# Altium PCB MotorDriver.PcbDoc (part 2 of 2)
Units mm, origin at the board's own origin, x right, y up, seen from the top; angles counter-clockwise.
Board outline 188.1 x 187 mm, 4 copper layers (Top Layer, Layer 1, Layer 2, Bottom Layer), stack 0.603 mm thick; 58 components, 47 nets, 249 pads, 100 vias.
Unrouted connection lines stored in the file: 13.
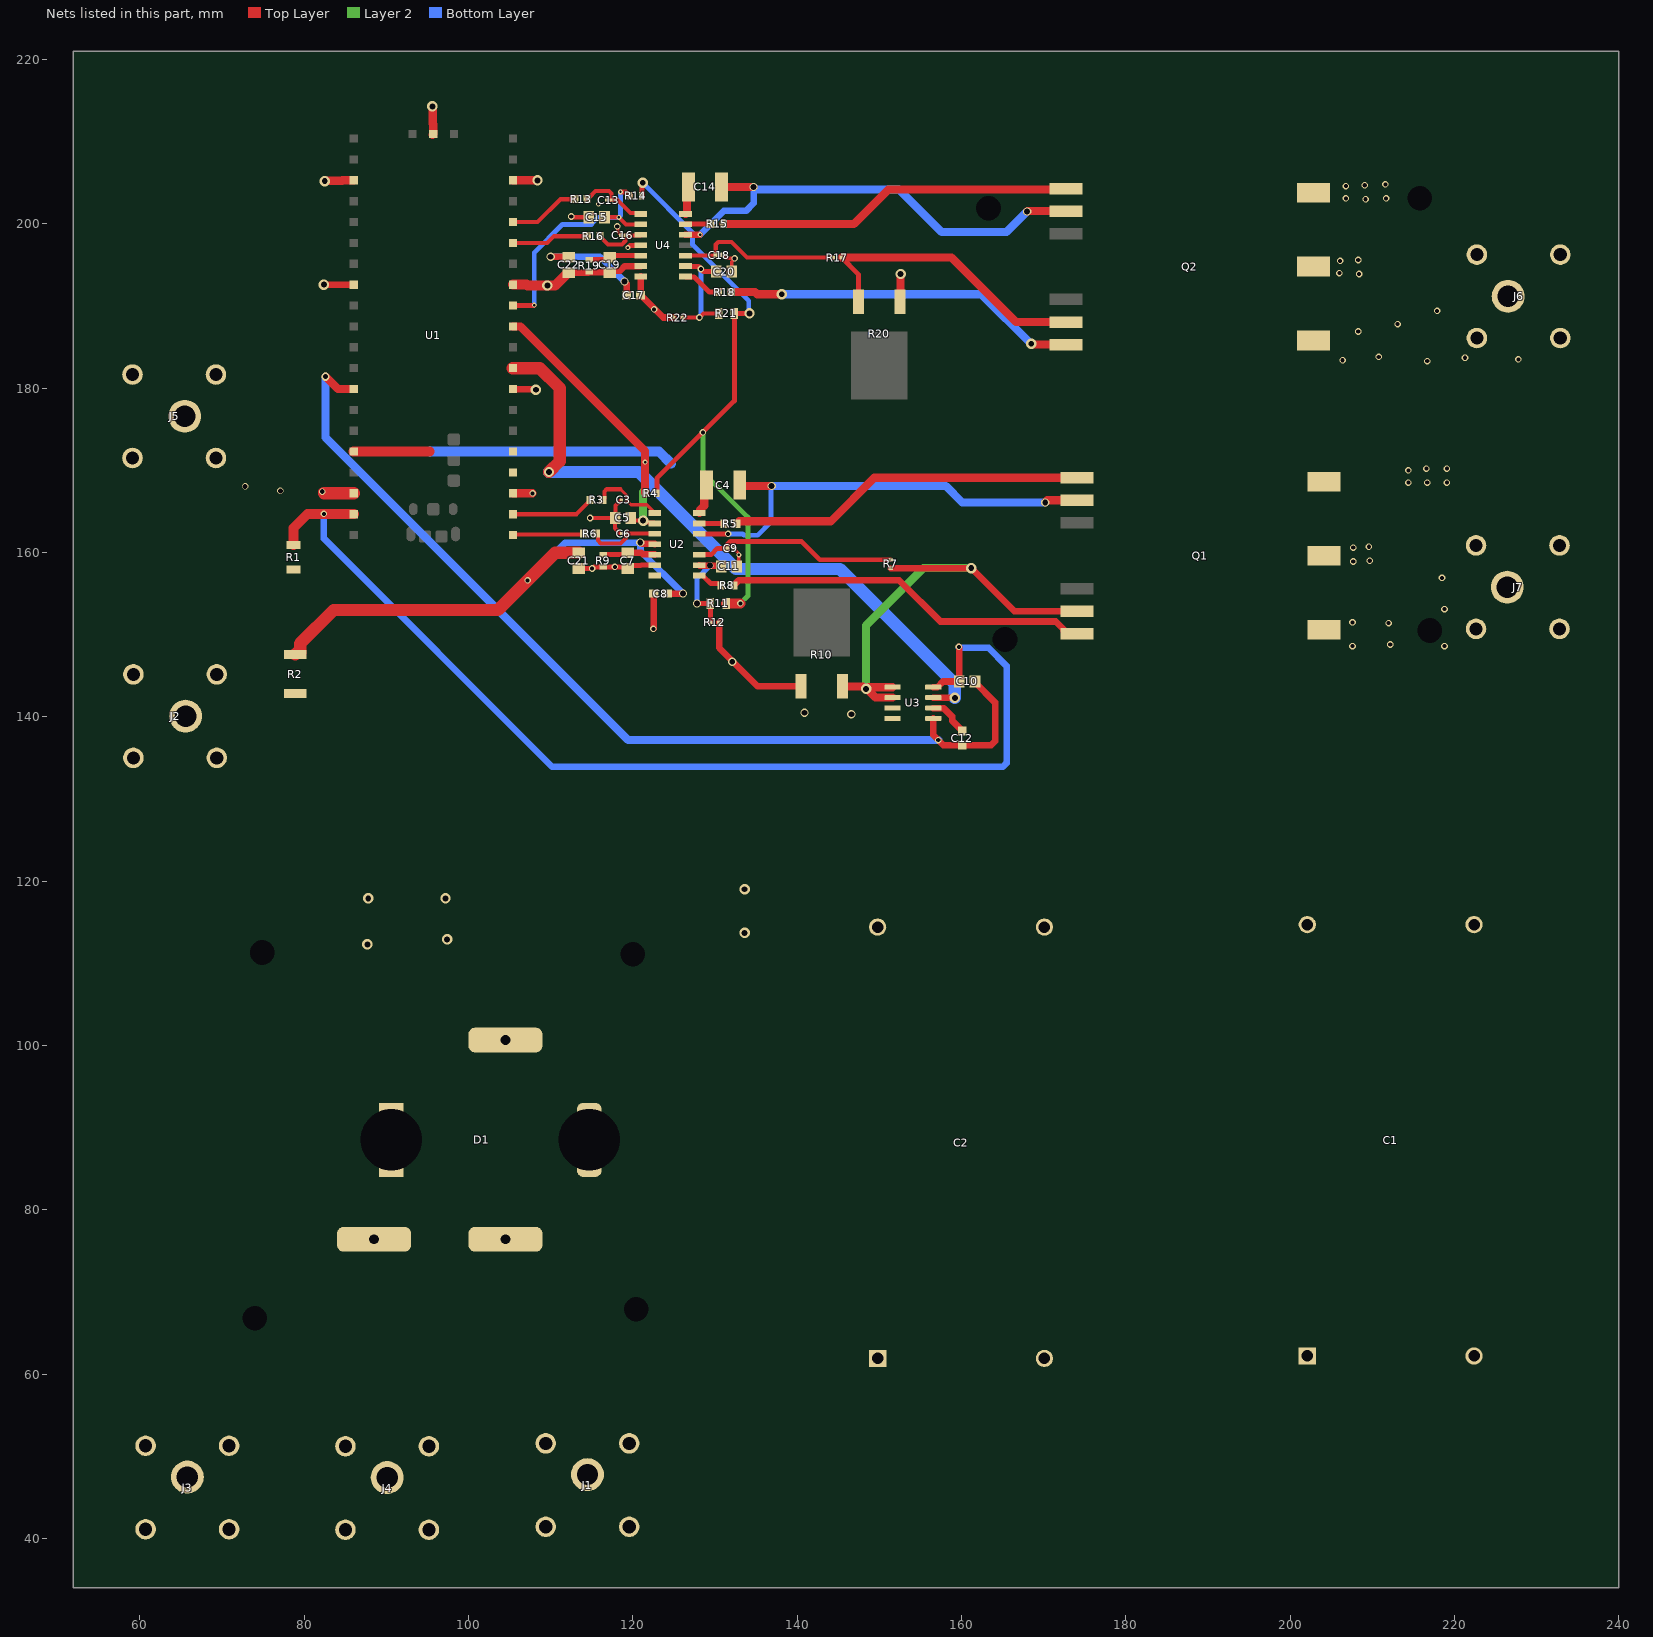
[diagram p4: the nets of this part, all layers, seen from the top]

## Part data
C1 C2: library part EZP-V60107MTS, "CAP FILM 100UF 10% 600V RADIAL", Manufacturer_Name=Panasonic, Mouser Part Number=667-EZP-V60107MTS, Datasheet Link=http://industrial.panasonic.com/cdbs/www-data/pdf/RDL0000/RDL0000C251.pdf, Height=52.5mm, Manufacturer_Part_Number=EZP-V60107MTS, Mouser Price/Stock=https://www.mouser.co.uk/ProductDetail/Panasonic/EZP-V60107MTS?qs=OlC7AqGiEDk7%2FzfxM6wGiA%3D%3D
C3 C6 C13 C16: library part GRM0335C1E821JA01D, "CAP CER 820PF 25V C0G/NP0 0201", Package="0603 Murata", Check_prices=https://www.snapeda.com/parts/GRM0335C1E821JA01D/Murata+Electronics+North+America/view-part/?ref=eda, MF="Murata Electronics", MP=GRM0335C1E821JA01D, SnapEDA_Link=https://www.snapeda.com/parts/GRM0335C1E821JA01D/Murata+Electronics+North+America/view-part/?ref=snap
C4 C14: library part C1812W104KDRACTU, "CAP CER 0.1UF 1KV X7R 1812", Package=None, Availability=Unavailable, MP=C1812W104KDRACTU, Price=None
C5 C7 C10 C11 C15 C19 C20 C21 C22: library part CC0805KRX7R9BB104, "CAP CER 0.1UF 50V X7R 0805", Package="0805 Yageo", Availability=Unavailable, MF=Yageo, MP=CC0805KRX7R9BB104, Price=None, SnapEDA_Link=https://www.snapeda.com/parts/CC0805KRX7R9BB104/Yageo/view-part/105548/?ref=snap
C8 C17: library part CC0603KRX5R8BB105, "CAP CER 1UF 25V X5R 0603", Package="0603 Yageo", Availability=Unavailable, MF=Yageo, MP=CC0603KRX5R8BB105, Price=None, SnapEDA_Link=https://www.snapeda.com/parts/CC0603KRX5R8BB105/Yageo/view-part/1820893/?ref=snap
C9 C18: library part C0402C221K8RACTU, "CAP CER 220PF 10V X7R 0402", Package=None, Availability=Unavailable, MF="{'manufacturer': u'KEMET'}", MP=C0402C221K8RACTU, Price=None
C12: library part C0603C102K5RACTU, "CAP CER 1000PF 50V X7R 0603", Package="0603 Kemet", Availability=Unavailable, MF=KEMET, MP=C0603C102K5RACTU, Price=None, SnapEDA_Link=https://www.snapeda.com/parts/C0603C102K5RACTU/KEMET/view-part/319836/?ref=snap
D1: library part DB35-12, "BRIDGE RECT 3P 1.2KV 35A DB-35", Datasheet=https://diotec.com/de/produktliste/B3.html, ki_description=Bridge_3_phase, ki_keywords="Bridge 3 phase"
J1 J2 J3 J4 J5 J6 J7: "Banana Jack Connector Standard Banana Solder Red", Package=None, Check_prices=https://www.snapeda.com/parts/FCR7350R/Cliff+Electronics/view-part/?ref=eda, MF=Cliff, MP=FCR7350R, SnapEDA_Link=https://www.snapeda.com/parts/FCR7350R/Cliff+Electronics/view-part/?ref=snap
Q1 Q2: "MOSFET 2N-CH 650V 32A 9ACEPACK", Manufacturer_Name=STMicroelectronics, Mouser Part Number=511-SH32N65DM6AG, Datasheet Link=https://www.st.com/resource/en/datasheet/sh32n65dm6ag.pdf, Geometry.Height=5.75mm, Manufacturer_Part_Number=SH32N65DM6AG, Mouser Price/Stock=https://www.mouser.co.uk/ProductDetail/STMicroelectronics/SH32N65DM6AG?qs=By6Nw2ByBD04Okf4gmqE1g%3D%3D
R1: library part RQ73C2B100RBTD, "RES 100 OHMS 0.1% 0.4W 1206", Package=None, Availability=Unavailable, MP=RQ73C2B100RBTD, Price=None
R2: library part CRGP2010F18R, "RES 18 OHM 1% 1.25W 2010", Package=None, Availability=Unavailable, MP=CRGP2010F18R, Price=None
R3 R6 R13 R16: library part RMCF0603FT820R, "RES 820 OHM 1% 1/10W 0603", Package="1508 Stackpole", Digi-Key_Part_Number=RMCF0603FT820RCT-ND, DigiKey-Purchase-URL=https://snapeda.com/shop?store=DigiKey&id=3955492, MF="Stackpole Electronics Inc", MP=RMCF0603FT820R, SnapEDA_Link=https://www.snapeda.com/parts/RMCF0603FT820R/Stackpole%20Electronics%20Inc/view-part/3955492/?ref=snap
R4 R14: library part ERA3AEB333V, "RES SMD 33K OHM 0.1% 1/10W 0603", Package=None, Availability=Unavailable, MP=ERA3AEB333V, Price=None
R5 R8 R15 R18: library part CRCW060310R0FKEAHP, "RES SMD 10 OHM 1% 1/3W 0603", Package="1608 Vishay", Digi-Key_Part_Number=541-10.0SCT-ND, DigiKey-Purchase-URL=https://snapeda.com/shop?store=DigiKey&id=132114, MF="Vishay Dale", MP=CRCW060310R0FKEAHP, SnapEDA_Link=https://www.snapeda.com/parts/CRCW060310R0FKEAHP/Vishay%20Dale/view-part/132114/?ref=snap
R7 R12 R17 R22: library part ERJ2RKF1002X, "RES SMD 10K OHM 1% 1/10W 0402", Package="1005-2 Panasonic", Availability="In Stock", Check_prices=https://www.snapeda.com/parts/ERJ-2RKF1002X/Panasonic%20Electronic%20Components/view-part/78636/?ref=eda, MF=Panasonic, MP=ERJ-2RKF1002X, Price=None, SnapEDA_Link=https://www.snapeda.com/parts/ERJ-2RKF1002X/Panasonic%20Electronic%20Components/view-part/78636/?ref=snap
R9 R19: library part ERJ3EKF6802V, "RES SMD 68K OHM 1% 1/10W 0603", Package=None, Availability=Unavailable, MP=ERJ3EKF6802V, Price=None
R10 R20: library part PWR163S-25-R040JE, "RES 0.04 OHM 5% 25W DPAK", Manufacturer=Bourns, Package=None, Availability=Unavailable, Category="Chip SMD Resistors", ComponentLink1Description=https://datasheet.ciiva.com:443/pdfs/VipMasterIC/IC/BOUR/BOUR-S-A0002274294/BOUR-S-A0002274294-1.pdf?src-supplier=IHS+Markit, ComponentLink1URL=https://datasheet.ciiva.com:443/pdfs/VipMasterIC/IC/BOUR/BOUR-S-A0002274294/BOUR-S-A0002274294-1.pdf?src-supplier=IHS+Markit, ComponentLink2Description=https://datasheet.ciiva.com/29508/pwr163-29508342.pdf?src-supplier=Digikey, ComponentLink2URL=https://datasheet.ciiva.com/29508/pwr163-29508342.pdf?src-supplier=Digikey, Manufacturer Part Number=PWR163S-25-R040JE, MP=PWR163S-25-R040JE, Price=None, Pricing="1000=1,752, 2000=1,735, 2500=1,719, 3000=1,703, 4000=1,686, 5000=1,67, 10000=1,656 (USD)", RoHS=No, Supplier="Arrow Electronics", Supplier Part Number=PWR163S-25-R040JE
R11 R21: library part RC0805JR-0727KL, "RES 27K OHM 5% 1/8W 0805", Manufacturer=Bourns, Manufacturer Part Number=PWR163S-25-R040JE, Package=None, Availability=Unavailable, Category="Chip SMD Resistors", ComponentLink1Description=https://datasheet.ciiva.com:443/pdfs/VipMasterIC/IC/BOUR/BOUR-S-A0002274294/BOUR-S-A0002274294-1.pdf?src-supplier=IHS+Markit, ComponentLink1URL=https://datasheet.ciiva.com:443/pdfs/VipMasterIC/IC/BOUR/BOUR-S-A0002274294/BOUR-S-A0002274294-1.pdf?src-supplier=IHS+Markit, ComponentLink2Description=https://datasheet.ciiva.com/29508/pwr163-29508342.pdf?src-supplier=Digikey, ComponentLink2URL=https://datasheet.ciiva.com/29508/pwr163-29508342.pdf?src-supplier=Digikey, MP=PWR163S-25-R040JE, Price=None, Pricing="1000=1,752, 2000=1,735, 2500=1,719, 3000=1,703, 4000=1,686, 5000=1,67, 10000=1,656 (USD)", RoHS=No, Supplier="Arrow Electronics", Supplier Part Number=PWR163S-25-R040JE
U1: "RP2040 Raspberry Pi Pico - ARM® Cortex®-M0+ MCU 32-Bit Embedded Evaluation Board", Package=None, Availability="In Stock", Check_prices=https://www.snapeda.com/parts/SC0915/Raspberry+Pi/view-part/?ref=eda, MF="Raspberry Pi", MP=SC0915, Price=None, Purchase-URL=https://pricing.snapeda.com/search/part/SC0915/?ref=eda, SnapEDA_Link=https://www.snapeda.com/parts/SC0915/Raspberry+Pi/view-part/?ref=snap
U2 U4: "IC GATE DRVR HALF-BRIDGE 14SO", Manufacturer_Name=STMicroelectronics, Mouser Part Number=511-L6491D, Arrow Part Number=L6491D, Arrow Price/Stock=https://www.arrow.com/en/products/l6491d/stmicroelectronics?region=nac, Datasheet Link=http://www.mouser.com/datasheet/2/389/l6491-974060.pdf, Height=1.75mm, Manufacturer_Part_Number=L6491D, Mouser Price/Stock=https://www.mouser.co.uk/ProductDetail/STMicroelectronics/L6491D?qs=WHlX%252B%252B9%2FRwCiXa20eeUAEg%3D%3D
U3: "SENSOR CURRENT HALL 30A AC/DC", Package="SOIC-8 Allegro MicroSystems LLC", Availability="In Stock", Check_prices=https://www.snapeda.com/parts/ACS712ELCTR-30A-T/Allegro+Industries/view-part/?ref=eda, MF=Allegro, MP=ACS712ELCTR-30A-T, Price=None, Purchase-URL=https://pricing.snapeda.com/search/part/ACS712ELCTR-30A-T/?ref=eda, SnapEDA_Link=https://www.snapeda.com/parts/ACS712ELCTR-30A-T/Allegro+Industries/view-part/?ref=snap

## Free pads (board coordinates)
  round 1.524 hole 3: 2(215.8,203.1) J2(163.3,201.9) J3(74,66.8) J3(74.9,111.3) J3(120,111.1) J3(120.4,67.9) J3(165.3,149.4) J3(217,150.5)

## Via types
v1: diameter 0.8, hole 0.5, Top Layer to Bottom Layer, 53 vias
v2: diameter 1.27, hole 0.711, Top Layer to Bottom Layer, 22 vias
v3: diameter 1, hole 0.711, Top Layer to Bottom Layer, 12 vias
v4: diameter 0.6, hole 0.3, Top Layer to Bottom Layer, 8 vias
v5: diameter 0.8, hole 0.6, Top Layer to Bottom Layer, 3 vias
v6: diameter 0.8, hole 0.711, Top Layer to Bottom Layer, 1 vias
v7: diameter 1, hole 0.6, Top Layer to Bottom Layer, 1 vias

## Nets (pads, with @x,y where several pads share a name; then routed paths per layer and width w, separated by ;. In a path a pad name is that pad's centre, name@x,y a point inside that pad or via, vN(x,y) a via of type N, cw(c..) or ccw(c..) an arc to the next point about the centre after c; other vN are vias at no path point)
3.3V: R4.2 R11.1 R14.2 R21.1 U1.36 | length 115.1
  Top Layer w0.6: R14.2@121.1,203.4 121.125,203.425 121.125,204.925 v2(121.2,205) ; R4.2@122.925,167.2 122.925,169.025 124.7,170.8 ; 124.681,170.8 124.7,170.8 ; v2(134.2,189.1) R21.1@132.355,189.1 132.355,178.455 v1(128.527,174.628) 124.7,170.8
  Top Layer w1.2: U1.36@86.02,172.28 95.28,172.28 ; R11.1@131.355,153.8 v1(133.1,153.8)
  Layer 2 w0.6: v1(128.527,174.628) 128.527,169.773 134,164.3 134,154.7 v1(133.1,153.8)
  Bottom Layer w0.6: v2(121.2,205) 127.246,198.954 127.246,197.504 134.115,190.635 134.115,189.185 v2(134.2,189.1)
  Bottom Layer w1.2: 95.28,172.28 95.3,172.3 123.181,172.3 124.681,170.8
5V: C10.1 R1.1 U1.39 U3.8 | length 134.3
  Top Layer w0.8: U3.8@156.575,143.605 157.06,143.605 157.755,144.3 C10.1@159.75,144.3 159.75,148.45 v1(159.7,148.5)
  Top Layer w1.2: R1.1@78.7,160.9 78.7,163 80.4,164.7 86.06,164.7 U1.39@86.02,164.66
  Bottom Layer w0.8: v1(82.4,164.7) 82.4,161.7 110.2,133.9 165.031,133.9 165.5,134.369 165.5,146.2 163.3,148.4 v1@159.7,148.4
12V: R2.1
15V: C8.2 C17.2 C21.2 C22.2 J2.P$1 R1.2 R2.2 U2.4 U4.4 | length 83.9
  Top Layer w0.6: v4(119.4,197.1) 119.65,197.35 120.938,197.35 U4.4@120.988,197.4
  Top Layer w0.8: v3(110,196) 110.025,195.975 112.175,195.975 C22.2@112.2,195.95 ; v3(119,193) 119,192.946 119.25,192.696 C17.2@119.25,191.3 ; v3(120.9,161.2) 120.954,161.2 121.104,161.05 122.638,161.05 U2.4@122.688,161 ; C8.2@124.25,155 v3(126.1,155)
  Top Layer w1.5: R2.2@78.9,147.58 79.115,147.795 79.51,147.795 79.51,148.91 83.6,153 103.6,153 110.55,159.95 C21.2@113.4,159.95
  Bottom Layer w0.8: v1(107.2,156.6) 111.8,161.2 v3(120.9,161.2) 120.938,161.162 120.938,160.162 v3(126.1,155) ; v3(110,196) 116,196 v3(119,193)
AGND: C10.2 C12.1 U1.33 U3.5 | length 119.8
  Top Layer w0.8: U3.5@156.575,139.795 156.575,137.769 v1(157.184,137.159) 157.794,136.55 C12.1@160.1,136.55 163.631,136.55 164.1,137.019 164.1,141.75 161.65,144.2 C10.2@161.65,144.3
  Top Layer w1: v7(82.6,181.4) 84.1,179.9 U1.33@86.02,179.9
  Bottom Layer w1: v7(82.6,181.4) 82.6,174 119.441,137.159 v1(157.184,137.159)
ENC_A: U1.4
ENC_B: U1.5
Fault_1: C5.2 R4.1 U1.11 U2.2 | length 38
  Top Layer w0.5: C5.2@119.75,164.2 120.064,163.886 v2(121.247,163.886) 121.455,163.886 121.701,163.64 122.588,163.64 U2.2@122.688,163.54
  Top Layer w1: U1.11@105.4,187.52 106.326,187.52 121.5,172.346 v4(121.5,171) 121.475,170.975 R4.1@121.475,167.2
  Layer 2 w1: v2(121.247,163.886) 121.247,167.353 121.5,167.606 v4(121.5,171)
Fault_2: C15.2 R14.1 U1.12 U4.2 | length 30.5
  Top Layer w0.5: C15.2@116.55,200.8 118.333,200.8 119.193,199.94 U4.2@120.988,199.94
  Top Layer w0.6: U1.12@105.4,190.06 107.96,190.06 v4(108,190.1) ; v4(118.5,203.9) 119.15,203.9 119.5,203.55 119.625,203.55 119.65,203.525 R14.1@119.65,203.4
  Bottom Layer w0.6: v4(108,190.1) 108,196.5 111.446,199.946 114.951,199.946 115.805,200.8 v4(118.3,200.8) 118.5,201 v4(118.5,203.9)
I_sense: U1.9 U3.7 | length 81.9
  Top Layer w0.8: U3.7@156.575,142.335 156.593,142.318 159.183,142.318 v2(159.2,142.3)
  Top Layer w1.5: U1.9@105.4,182.44 108.66,182.44 111.1,180 111.1,171.1 v2(109.8,169.8)
  Bottom Layer w1.5: v2(109.8,169.8) 120.75,169.8 132.55,158 145.2,158 159.2,144 v2(159.2,142.3)
NetC3_2: C3.2 R3.2 U2.1 | length 8.9
  Top Layer w0.4: 118.5,167.7 119.263,166.937 119.263,166.318 119.781,165.8 121.698,165.8 U2.1@122.688,164.81
  Top Layer w0.5: R3.2@116.36,166.4 116.535,166.575 116.535,167.407 116.828,167.7 118.5,167.7
NetC4_1: C4.1 Q1.2 U2.12 | length 56
  Top Layer w0.6: U2.12@128.112,162.27 v1(131.604,162.27)
  Top Layer w1: C4.1@133.017,168.2 133.017,168.283 133.2,168.1 v3(136.9,168.1) ; v3(170.2,166.1) 170.45,166.35 Q1.2@174.05,166.35
  Bottom Layer w0.6: v1(131.604,162.27) 133.344,162.27 133.514,162.1 135.2,162.1 136.823,163.723 136.823,168.023 v3(136.9,168.1)
  Bottom Layer w1: v3(136.9,168.1) 158.1,168.1 160.1,166.1 v3(170.2,166.1)
NetC4_2: C4.2 U2.14 | length 3.8
  Top Layer w1: U2.14@128.112,164.81 128.2,164.898 128.2,165.2 128.698,165.698 128.698,167.915 C4.2@128.983,168.2
NetC6_2: C6.2 R6.2 U2.3 | length 8.8
  Top Layer w0.5: R6.2@115.56,162.3 115.76,162.1 115.76,161.44 116.1,161.1 118.5,161.1 119.181,161.781 C6.2@119.181,162.3 122.658,162.3 U2.3@122.688,162.27
NetC7_2: C7.2 R9.2 U2.5 | length 6.5
  Top Layer w0.6: R9.2@116.4,159.725 116.425,159.75 119.2,159.75 C7.2@119.4,159.95
  Top Layer w0.8: C7.2@119.4,159.95 121.05,159.95 121.22,159.78 122.638,159.78 U2.5@122.688,159.73
NetC9_2: C9.2 R7.1 U2.10 | length 24.8
  Top Layer w0.6: U2.10@128.112,159.73 129.53,159.73 130.3,160.5 C9.2@131.495,160.5 ; 131.456,160.9 131.456,160.938 131.872,161.354 140.515,161.354 142.757,159.112 R7.1@151.4,159.112
NetC11_2: C11.2 R11.2 R12.1 U2.9 | length 11.9
  Top Layer w0.6: v3(127.8,153.8) R11.2@129.445,153.8 129.445,151.543 R12.1@129.488,151.5
  Top Layer w0.8: U2.9@128.112,158.46 128.162,158.41 v6(129.401,158.41) 130.64,158.41 C11.2@130.75,158.3
  Bottom Layer w0.6: v3(127.8,153.8) 127.8,156.809 v6(129.401,158.41)
NetC12_2: C12.2 U3.6 | length 5
  Top Layer w0.8: U3.6@156.575,141.065 157.835,141.065 158.869,140.031 158.869,139.531 160,138.4 160,138.35 C12.2@160.1,138.25
NetC13_2: C13.2 R13.2 U4.1 | length 8.6
  Top Layer w0.5: R13.2@114.46,203 114.46,203.035 114.66,203.235 114.695,203.235 115.46,204 117.107,204 117.4,203.707 117.4,202.938 C13.2@117.362,202.9 118.124,202.9 119.714,201.31 120.888,201.31 U4.1@120.988,201.21
NetC14_1: C14.1 Q2.2 U4.12 | length 57.1
  Top Layer w0.8: U4.12@126.412,198.67 v4@128.17,198.67
  Top Layer w1: C14.1@130.817,204.5 v3(134.7,204.5) ; v3(168,201.5) 168.05,201.55 Q2.2@172.75,201.55
  Bottom Layer w0.8: v4(128.2,198.7) 131.081,201.581 133.781,201.581 134.7,202.5 v3(134.7,204.5)
  Bottom Layer w1: v3(134.7,204.5) 135,204.2 152.4,204.2 157.6,199 165.5,199 v3(168,201.5)
NetC14_2: C14.2 U4.14 | length 3.5
  Top Layer w1: U4.14@126.412,201.21 126.447,201.21 126.597,201.36 126.597,204.314 126.6,204.317 C14.2@126.783,204.5
NetC16_2: C16.2 R16.2 U4.3 | length 6.4
  Top Layer w0.5: R16.2@115.96,198.5 115.96,198.465 116.16,198.265 116.195,198.265 116.96,197.5 118.661,197.5 119.081,197.92 C16.2@119.081,198.6 120.918,198.6 U4.3@120.988,198.67
  Top Layer w0.6: R16.2@115.96,198.465 R16.2@115.96,198.5
NetC18_2: C18.2 R17.1 U4.10 | length 20.2
  Top Layer w0.5: U4.10@126.412,196.13 130.03,196.13 130.095,196.195 C18.2@130.095,196.2 130.095,197.495 130.4,197.8 132,197.8 133.9,195.9 R17.1@144.388,195.9
NetC19_2: C19.2 R19.2 U4.5 | length 6.5
  Top Layer w0.6: R19.2@114.7,195.625 114.725,195.65 116.9,195.65 C19.2@117.2,195.95 117.38,196.13 U4.5@120.988,196.13
NetC20_2: C20.2 R21.2 R22.1 U4.9 | length 14.6
  Top Layer w0.5: R22.1@126.012,188.6 v1(128.094,188.6) 128.593,189.1 R21.2@130.445,189.1
  Top Layer w0.6: U4.9@126.412,194.86 126.462,194.81 127.99,194.81 128.281,194.519 128.6,194.2 C20.2@130.15,194.2
  Bottom Layer w0.6: v1(128.094,188.6) 128.094,188.654 128.295,188.856 v1(128.295,194.505)
NetQ1_1: Q1.1 R5.2 | length 43.7
  Top Layer w1: R5.2@132.66,163.5 132.96,163.8 144.1,163.8 149.4,169.1 Q1.1@174.05,169.1
NetQ1_5: Q1.5 R7.2 R10.2 U3.1 U3.2 | length 57.8
  Top Layer w0.8: R7.2@151.4,158.088 161.212,158.088 166.45,152.85 Q1.5@174.05,152.85
  Top Layer w1: R10.2@145.54,143.7 v2@148.027,143.7 ; v2@148.275,143.452 148.421,143.452 149.538,142.335 U3.2@151.625,142.335 ; v2@148.473,143.4 148.678,143.605 U3.1@151.625,143.605
  Layer 2 w1: v2(148.4,143.4) 148.4,151.1 155.4,158.1 v2(161.2,158.1)
NetQ1_6: Q1.6 R8.2 | length 44.9
  Top Layer w0.8: R8.2@132.28,156 132.28,156.055 132.315,156.09 132.37,156.09 132.88,156.6 152.437,156.6 157.437,151.6 171.481,151.6 172.45,150.631 172.45,150.4 172.75,150.1 Q1.6@174.05,150.1
NetQ2_1: Q2.1 R15.2 | length 43.5
  Top Layer w1: R15.2@131.06,200 146.9,200 151.1,204.2 172.65,204.2 Q2.1@172.75,204.3
NetQ2_5: Q2.5 R17.2 R20.2 | length 36.8
  Top Layer w0.6: R17.2@145.412,195.9 147.46,193.852 R20.2@147.46,190.5
  Top Layer w1: R17.2@145.412,195.9 158.8,195.9 166.65,188.05 Q2.5@172.75,188.05
NetQ2_6: Q2.6 R18.2 | length 43.4
  Top Layer w1: R18.2@131.98,191.7 134.883,191.7 135.153,191.43 v2(138.13,191.43) ; v2(168.5,185.4) 168.573,185.4 168.673,185.3 Q2.6@172.75,185.3
  Bottom Layer w1: v2(138.13,191.43) 162.47,191.43 v2(168.5,185.4)
NetR5_1: R5.1 U2.13 | length 3
  Top Layer w0.6: U2.13@128.112,163.54 128.132,163.52 131.08,163.52 R5.1@131.1,163.5
NetR8_1: R8.1 U2.8 | length 3.1
  Top Layer w0.6: U2.8@128.112,157.19 128.525,157.19 129.514,156.2 130.52,156.2 130.53,156.19 130.585,156.19 130.72,156.055 R8.1@130.72,156
NetR15_1: R15.1 U4.13 | length 3.1
  Top Layer w0.6: U4.13@126.412,199.94 126.442,199.97 129.47,199.97 R15.1@129.5,200
NetR18_1: R18.1 U4.8 | length 4.8
  Top Layer w0.6: U4.8@126.412,193.59 126.462,193.54 127.46,193.54 129.3,191.7 R18.1@130.42,191.7
OUT1: J7.P$1 Q1.7
  other v1: 207.6,148.6 218.8,148.6 212.2,148.8 212,151.4 207.6,151.5 218.8,153.1 218.5,156.9
OUT2: J6.P$1 Q2.7
  other v1: 216.7,183.3 206.4,183.4 227.8,183.5 221.3,183.7 210.8,183.8 208.3,186.9 213.1,187.8 217.9,189.4
PGND: C1.1 C1.3 C2.1 C2.3 C8.1 C17.1 D1.5 pad.J3@165.3,149.4 Q1.8 Q2.8 R10.1 R12.2 R20.1 R22.2 U2.7 U3.3 U3.4 U4.7 | length 30.2
  Top Layer w0.8: U4.7@120.988,193.59 120.969,193.571 120.969,191.319 C17.1@120.95,191.3 121,191.3 123.7,188.6 R22.2@124.988,188.6 ; v1(122.5,150.7) 122.55,150.75 C8.1@122.55,155 ; R12.2@130.512,151.5 130.512,148.388 135.2,143.7 R10.1@140.46,143.7
  Top Layer w1: R20.1@152.54,190.5 152.57,190.53 152.57,193.87 v2(152.6,193.9)
  other v1: 207.7,158.9 209.7,159 207.7,160.6 209.6,160.7 122.6,189.6 208.4,193.9 206,194 206.1,195.5 208.3,195.6
  other v3: 146.6,140.3 140.9,140.5 132.1,146.7
PWM_1: R3.1 U1.2 | length 10.2
  Top Layer w0.5: U1.2@105.4,164.66 113.135,164.66 114.84,166.365 R3.1@114.84,166.4
PWM_2: R6.1 U1.1 | length 8.7
  Top Layer w0.5: U1.1@105.4,162.12 105.49,162.21 113.95,162.21 R6.1@114.04,162.3
PWM_3: R13.1 U1.16 | length 8.7
  Top Layer w0.5: U1.16@105.4,200.22 108.42,200.22 111.2,203 R13.1@112.94,203
PWM_4: R16.1 U1.15 | length 9.4
  Top Layer w0.5: U1.15@105.4,197.68 109.58,197.68 110.4,198.5 R16.1@114.44,198.5
SGND: C3.1 C5.1 C6.1 C7.1 C9.1 C11.1 C13.1 C15.1 C16.1 C18.1 C19.1 C20.1 C21.1 C22.1 J5.P$1 R9.1 R19.1 U1.3 U1.8 U1.13 U1.18 U1.23 U1.28 U1.38 U1.D2 U2.6 U4.6 | length 65.9
  Top Layer w0.4: v1(118.1,199.7) 118.177,199.623 118.177,199.023 C16.1@118.4,198.8 ; C18.1@130.905,196.2 130.905,196.195 131,196.1 131.005,196.1 131.305,195.8 v1(132.4,195.8) 132.4,195.731 132.05,195.381 C20.1@132.05,194.2 ; C9.1@132.305,160.5 132.305,160.495 132.862,159.938 132.862,159.738 v4(132.9,159.7) 132.9,158.55 C11.1@132.65,158.3
  Top Layer w0.5: v1(112.5,200.9) 112.581,200.9 112.681,200.8 C15.1@114.65,200.8 ; v1(114.8,164.2) C5.1@117.85,164.2 ; 118.4,162.4 117.85,162.95 C5.1@117.85,164.2 ; C3.1@118.487,166.3 117.887,165.7 117.887,164.237 C5.1@117.85,164.2
  Top Layer w0.6: C21.1@113.4,158.05 v1(115.05,158.05) 115.25,158.25 116.375,158.25 R9.1@116.4,158.275 116.425,158.25 119.2,158.25 C7.1@119.4,158.05 119.75,158.4 120.965,158.4 121.025,158.46 U2.6@122.688,158.46
  Top Layer w0.8: v2(82.4,192.6) U1.28@86.02,192.6 ; U1.8@105.4,179.9 105.45,179.85 108.15,179.85 v2(108.2,179.8) ; C22.1@112.2,194.05 114.6,194.05 114.7,194.15 R19.1@114.7,194.162 ; R19.1@114.7,194.175 R19.1@114.7,194.162 ; U4.6@120.988,194.86 119.026,194.86 118.465,194.3 117.45,194.3 C19.1@117.2,194.05 117.137,194.112 114.75,194.112 R19.1@114.7,194.162
  Top Layer w1: v5(82.2,167.4) v5@82.4,167.2 ; v2(82.5,205.2) 82.552,205.252 84.625,205.252 84.673,205.3 U1.23@86.02,205.3 ; U1.D2@95.6,210.84 U1.D2@95.71,210.95 95.71,212.117 95.652,212.175 95.652,214.248 v2(95.6,214.3) ; U1.3@105.4,167.2 v1(107.8,167.2) ; U1.18@105.4,205.3 v2(108.4,205.3)
  Top Layer w1.2: U1.13@105.4,192.6 107.081,192.6 107.168,192.513 109.587,192.513 v2(109.6,192.5) 109.613,192.513 110.563,192.513 112.1,194.05 C22.1@112.2,194.05
  Top Layer w1.5: v5@82.4,167.2 U1.38@86.02,167.2
  other v1: 117.812,158.25
  other v4: 115.8,202.4
  other v5: 77.1,167.5 72.814,168.037
V+: C1.2 C1.4 C2.2 C2.4 D1.4 pad.2 Q1.9 Q2.9
  other v1: 214.4,168.5 216.7,168.5 219.1,168.5 214.4,170 216.6,170.2 219.1,170.2 209.2,203 206.8,203.1 211.7,203.1 206.8,204.6 209.1,204.7 211.6,204.8
  other v2: 87.7,112.3 97.4,112.9 133.6,113.7 87.8,117.9 97.2,117.9 133.6,119
Va: D1.3 J1.P$1
Vb: D1.2 J4.P$1
Vc: D1.1 J3.P$1
pads on no net: Q1.3 Q1.4 Q2.3 Q2.4 R10.3 R20.3 U1.6 U1.7 U1.10 U1.14 U1.17 U1.19 U1.20 U1.21 U1.22 U1.24 U1.25 U1.26 U1.27 U1.29 U1.30 U1.31 U1.32 U1.34 U1.35 U1.37 U1.40 U1.A U1.B U1.C U1.D U1.D1 U1.D3 U1.TP1 U1.TP2 U1.TP3 U1.TP4 U1.TP5 U1.TP6 U2.11 U4.11
copper on no net: | length 1.2
  Top Layer w0.4: 115.8,202.4 116.3,202.9 116.8,202.9

## Polygon pours and split planes (outlines as drawn)
V+ on Top Layer "V+_L01_P044" (solid, pour order 44): 200.7,205.1 200.8,205 200.8,202.3 213.8,202.3 213.9,202.2 213.9,205.7
V+ on Top Layer "V+_L01_P043" (solid, pour order 43): 202.1,172 202,165.6 202.1,165.7 221.2,165.7 221.2,171.6 220.8,172
PGND on Top Layer "PGND_L01_P040" (solid, pour order 40): 202.2,160.8 202.1,160.7 202.1,158.5 211,158.5 211,161.3
PGND on Top Layer "PGND_L01_P039" (solid, pour order 39): 200.8,196 200.8,193.7 201,193.5 209.6,193.5 209.6,196.3
V+ on Top Layer "V+_L01_P025" (solid, pour order 25): 83.188,83.1 93,83.1 93,108.423 123.9,109.2 154.1,110.3 156.5,110.3 237.5,110.8 237.5,123.3 169.5,123.3 130.022,123.3 83.188,122.219
15V on Top Layer "15V_L01_P023" (solid, pour order 23): 77.9,158.4 77.9,147.864 77.922,147.842 78.18,148.1 80.1,148.1 80.1,150.5 83.4,153.6
no net on Top Layer "NONET_L01_P020" (solid, pour order 20): 84.1,77.9 84.1,39.1 83.4,38.4 83.5,38.3 97.3,38.3 97.3,52.4 95.7,54 93.5,72.6 92.6,78 84.2,78
no net on Top Layer "NONET_L01_P019" (solid, pour order 19): 99.162,77.081 108.5,59.452 108.5,38.7 120.4,38.7 120.9,38.2 121,38.3 121,67.5 110.619,77.881 100.489,77.744
PGND on Top Layer "PGND_L01_P012" (solid, pour order 12): 139.7,145.2 139.7,139.5 140.6,139.5 152.7,139.5 152.7,141.3 152.6,141.4 152.5,141.3 142.5,141.3 142.414,141.214 141.4,142.9 141.1,145.3
no net on Top Layer "NONET_L01_P011" (solid, pour order 11): 148.7,141.9 148.7,142.15 148.7,141.8
PGND on Top Layer "PGND_L01_P009" (solid, pour order 9): 121.9,157.5 122,157.4 122,154.5 123.1,154.5 123.2,154.6 123.4,157.5
15V on Top Layer "15V_L01_P001" (solid, pour order 1): 62.176,148.057 57.2,145.7 57.2,134.1 71.2,134.1 71.1,134.2 71.1,146.375 77.605,146.795 80.722,149.913
OUT1 on Top Layer "OUT1_L01_P008" (solid, pour order 8): 202.2,147.9 202.6,147.5 235.5,147.5 235.5,162.1 234.4,162.2 221.2,162.2 221.2,162.1 211.9,152.8 202.1,152.8 202.1,147.7
OUT2 on Top Layer "OUT2_L01_P007" (solid, pour order 7): 200.1,188.9 200.2,188.8 200.2,182 234.5,182 234.5,197.5 221.2,197.5 217.2,191.5 216,190.1 215.8,190.1 215.7,190
SGND on Top Layer "SGND_L01_P003" (solid, pour order 3): 88,167.979 88,166.4 71.6,166.4 71,166.7 66,171.4 66,173.7 74.877,168.561 75.267,168.454
SGND on Top Layer "SGND_L01_P002" (solid, pour order 2): 57.5,183 57.5,170.1 57.6,170.2 71.1,170.2 71.1,182.8 70.9,183 71,183
V+ on Bottom Layer "V+_L04_P045" (solid, pour order 45): 198.1,207.9 214.252,207.9 216.152,110.5 143.9,110.5 198.1,149.7
V+ on Bottom Layer "V+_L04_P052" (solid, pour order 52): 215.5,141.6 233.1,124 233.1,111 215.5,111
PGND on Bottom Layer "PGND_L04_P026" (solid, pour order 26): 111.3,93 110.9,92.6 110.9,82.3 114.7,82.3 140.9,56.1 236.9,56.1 236.9,60 236.2,62.9 235.3,67.6 139.6,67.6 125,82.2 119.5,93.5 124,93 121.9,93.5 111.1,93.5 110.8,93.2
Vc on Bottom Layer "VC_L04_P024" (solid, pour order 24): 72.7,54.4 72.7,81.3 72.9,81.5 72.6,81.8 72.6,54.3 59,40.7 59,98.5 68.4,107.9 80.4,107.9 109.7,107.9 109.7,99.5 107,96.3 105.4,96.3 73.4,96.3 72.7,94.48 72.7,39.1 72.5,38.9 72.2,39.2 59,39.2 59,40.7
PGND on Layer 1 "PGND_L02_P028" (solid, pour order 28): 131.567,147.364 59,102.7 59,38.602 237.6,38.602 237.6,169.634 147.169,145.245
SGND on Layer 1 "SGND_L02_P035" (solid, pour order 35): 117,187.5 89.8,179.975 89.8,174.5 90.9,173.4 91.8,174.3 115.5,164
SGND on Layer 1 "SGND_L02_P029" (solid, pour order 29): 57.5,184.8 57.5,156.4 116.751,156.4 78.8,171.8
SGND on Layer 1 "SGND_L02_P027" (solid, pour order 27): 57.4,215 57.4,156.5 115.467,156.5 118.2,215 99.5,215 89.7,205.2 99.5,215
SGND on Layer 1 "SGND_L02_P034" (solid, pour order 34): 89.2,187.215 89.2,172.5 100.8,172.5 100.8,186.371
SGND on Layer 1 "SGND_L02_P051" (solid, pour order 51): 118.2,197.5 124.5,195.4 133.1,195.4 133.1,206.2 119.2,206.2
SGND on Layer 1 "SGND_L02_P050" (solid, pour order 50): 117.1,206.3 117.2,206.2 120.4,206.2 120.4,199.8 116.8,196.2
PGND on Layer 1 "PGND_L02_P048" (solid, pour order 48): 141,164.278 130.2,146.9 143,144.2 155,144.2
PGND on Layer 1 "PGND_L02_P047" (solid, pour order 47): 147.9,179.1 181.3,179.1 185.8,174.6 171.5,160.3 163.1,160.3
PGND on Layer 1 "PGND_L02_P046" (solid, pour order 46): 121.66,189.094 123.043,191.534 153.15,194.55 177.55,170.15 153.9,146.5 151,146.5
PGND on Layer 1 "PGND_L02_P042" (solid, pour order 42): 144.6,146.1 181.6,183.1 200.7,183.1 200.7,158.7 201.2,158.2 179.2,136.2 143.7,136.2
PGND on Layer 1 "PGND_L02_P041" (solid, pour order 41): 153.1,194.1 150.9,187.9 191.25,147.55 201.9,158.2 237.4,158.2 237.4,195.446
PGND on Layer 1 "PGND_L02_P033" (solid, pour order 33): 124.1,151 120.7,151.2 120.7,133.7 121.8,133.7 133.7,145.6 133.7,146.3
SGND on Layer 1 "SGND_L02_P031" (solid, pour order 31): 98.409,166.691 108.35,156.75 110.5,158.9 115.7,158.9 115.7,164.8 108.2,169.1
SGND on Layer 1 "SGND_L02_P030" (solid, pour order 30): 108.2,159.736 108.2,156.3 130.1,156.3 133.6,160
15V on Layer 2 "15V_L03_P032" (solid, pour order 32): 109.5,197.4 126.8,197.4 126.8,152 120,152 117.9,152 116,152 103.6,152
V+ on Layer 2 "V+_L03_P054" (solid, pour order 54): 237.4,123.4 237.4,110.7 237.5,110.6 92.9,110.6 92.9,111.9 82.7,122.1
V+ on Layer 2 "V+_L03_P053" (solid, pour order 53): 93.811,84.211 92.9,83.3 82.9,83.3 82.9,122.3 94.409,122.3
OUT1 on Layer 2 "OUT1_L03_P037" (solid, pour order 37): 206.3,152.8 206,152.5 206,147.6 235.5,147.6 235.6,147.7 235.5,147.8 235.5,162.2 221.2,162.2 221,162
OUT2 on Layer 2 "OUT2_L03_P036" (solid, pour order 36): 204.8,189.1 204.7,189 204.7,181.8 234.4,181.8 234.7,182.1 234.4,182.4 234.4,197.5 221.4,197.5 221.3,197.4

## Text inside footprints (layer, text, board x,y; h text height)
D1: Top Overlay "+" at 81.154,87.921 h2; Top Overlay "-" at 110.754,87.554 h2; Top Overlay "~" at 87.5,73.067 h3; Top Overlay "~" at 103.8,73.067 h3; Top Overlay "~" at 103.7,102.167 h3